# KiCad board 2000ATX.kicad_pcb (continued)
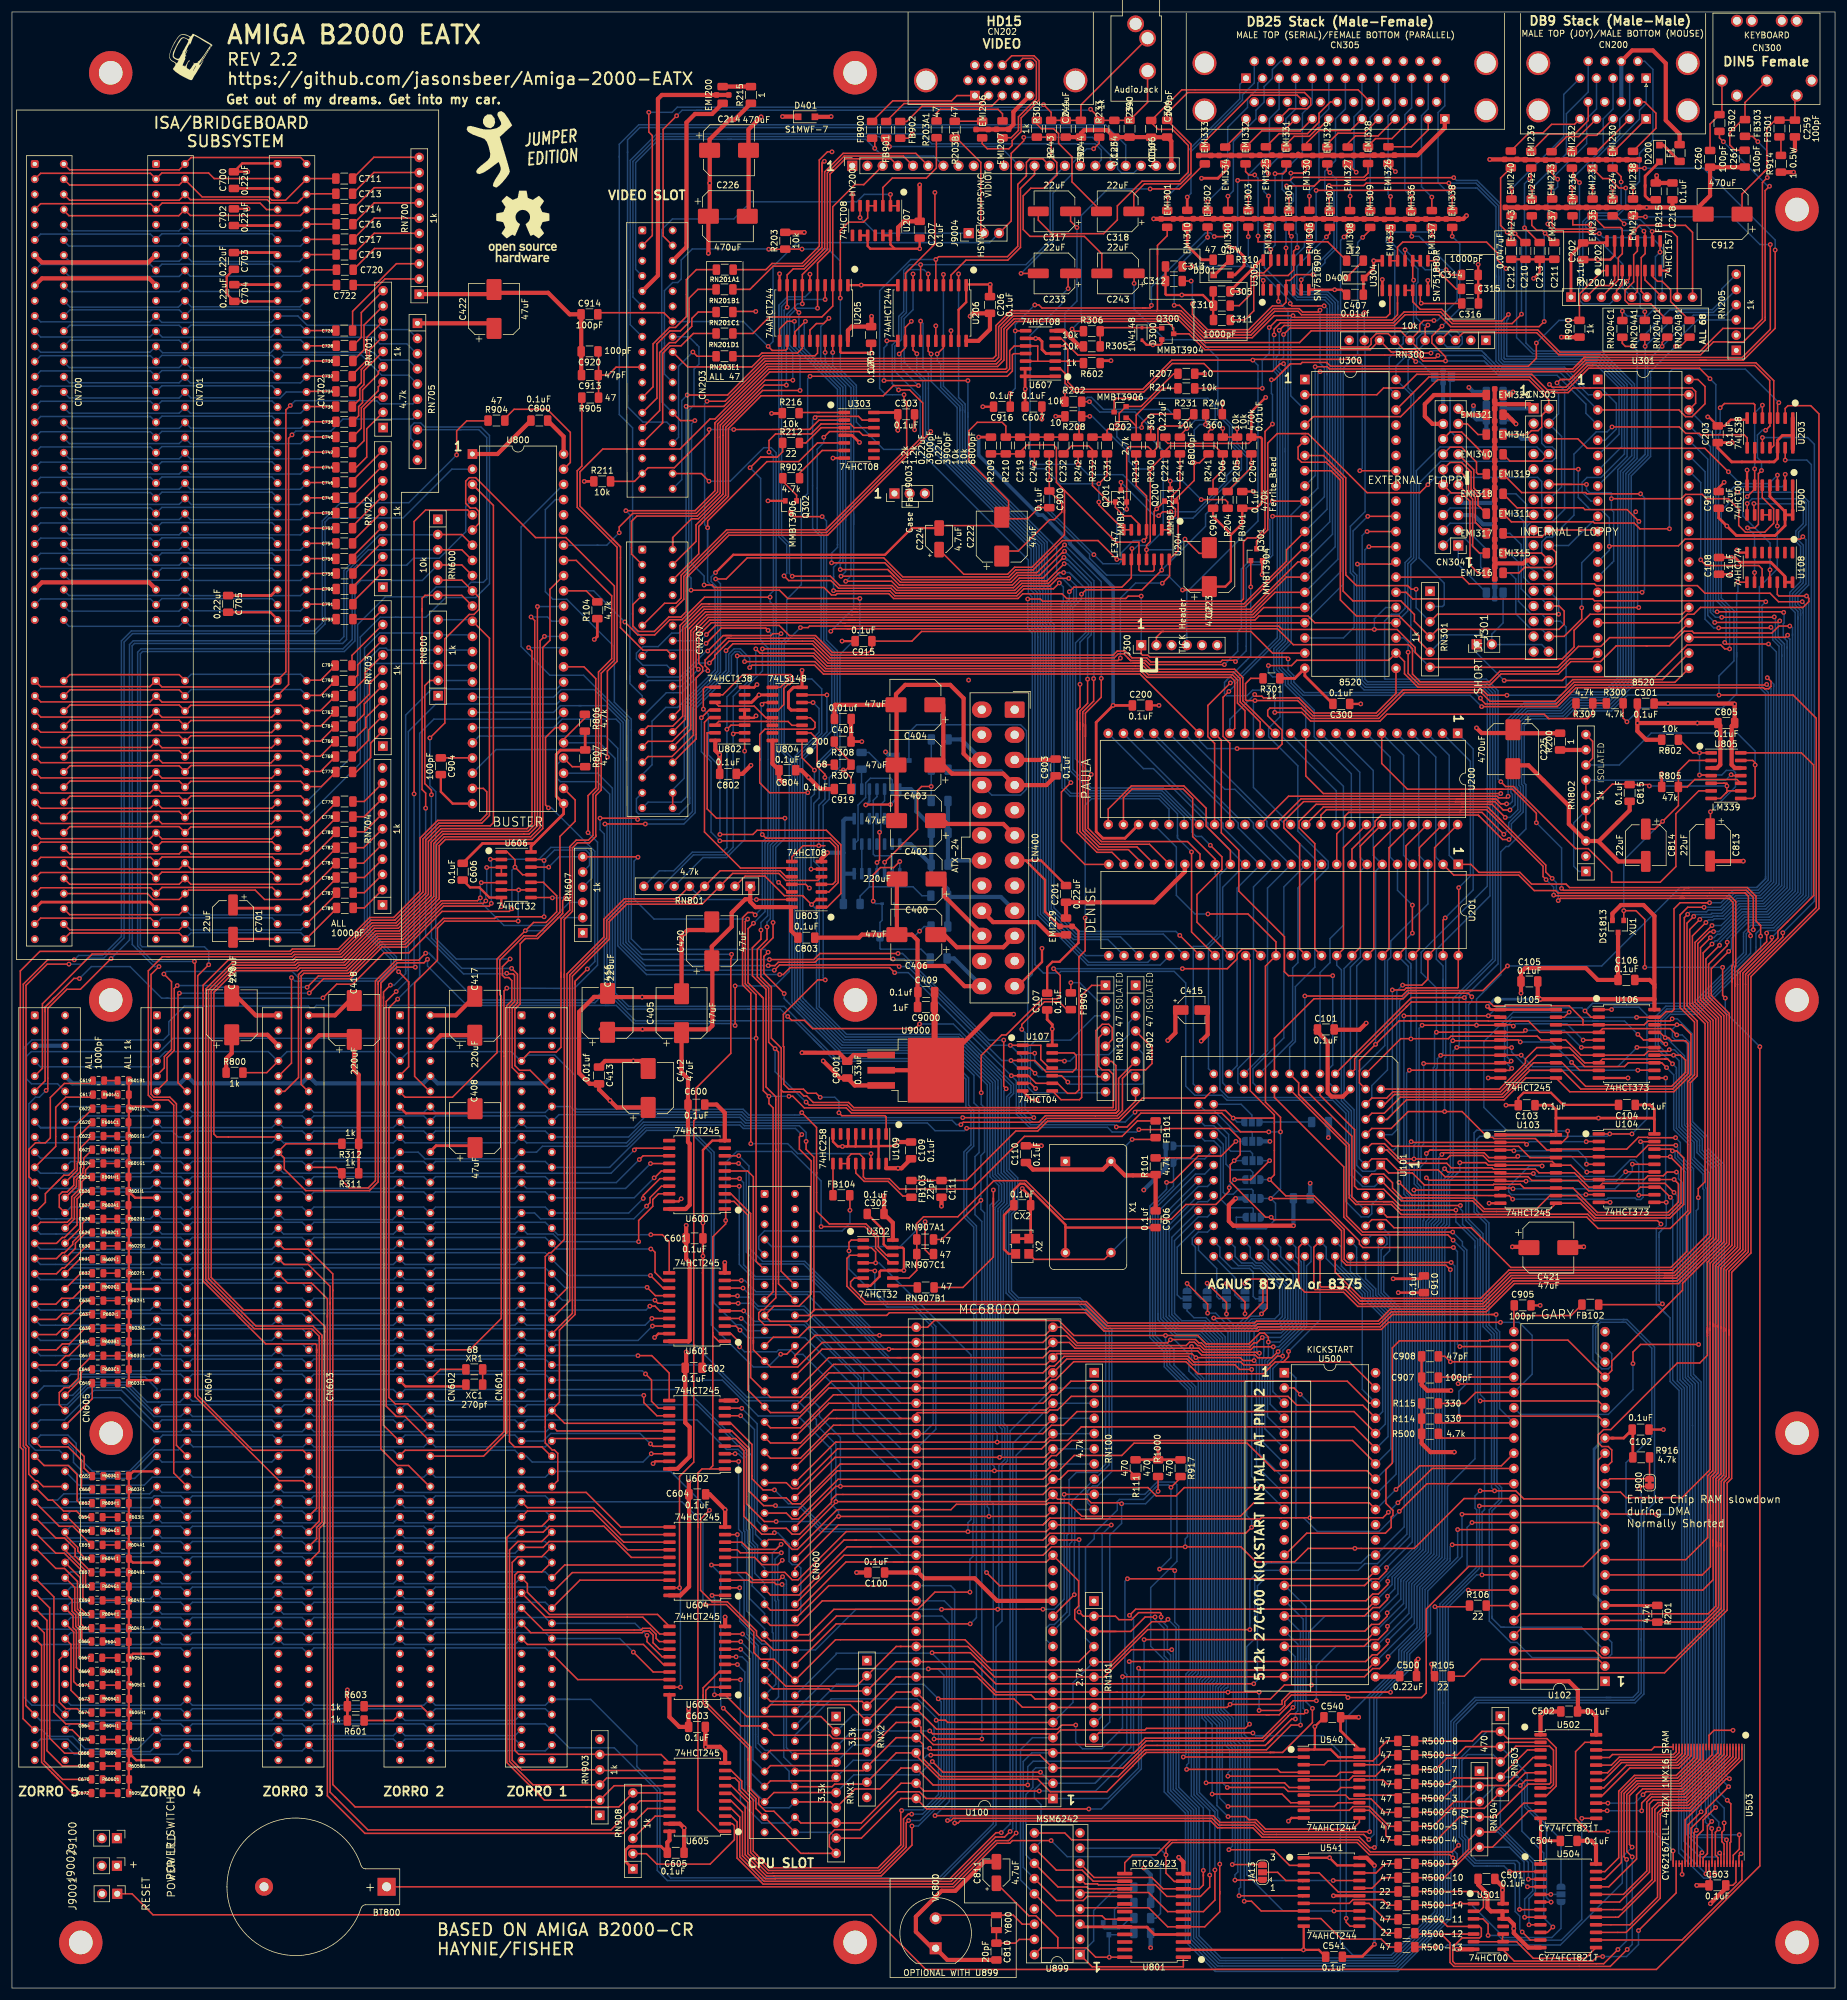
[diagram p0: board, top side]
## Routing (per net, layer and track width the routed paths; a pad name or vN(x,y) marks a point on that pad's centre or on a via; arc(x,y) is an arc through that point) (continued)
+12V: length 1410.1
  Top w0.457: U304.14 v1(227.67,288.63) 227.67,287.36 D400.2 225.94,285.62 C407.1 ; C704.1 44.34,284.64 44.4,284.58 ; R207.1 v1(199.44,269.75)
  Top w0.7: 24.08,284.53 22.92,285.69 5.02,285.69 CN700.B9 ; CN400.10 165.74,173.91 157.97,173.91 155.86,176.02
  In1.Cu w0.7: 1.14,284.4 3.81,284.4 5.02,283.2 22.82,283.2 24.08,284.45 25.28,283.25 43.14,283.25 44.4,284.51 ; CN400.11 165.43,173.82 138.77,173.82 133.72,168.77 133.72,125.35 CN600.10 ; CN400.10 165.44,178.01 165.44,209.1 162.83,211.71 161.05,211.71 159.94,212.83 v1(159.94,218.56) ; 1.07,284.4 1.19,155.83 1.19,155.75 3.36,153.58 7.68,153.58 CN605.10 ; 8.99,152.37 10.2,153.58 28.11,153.58 CN604.10 30.52,153.58 48.43,153.58 CN603.10 50.84,153.58 68.75,153.58 CN602.10 71.16,153.58 89.07,153.58 CN601.10
  In2.Cu w0.7: CN605.10 10.1,153.58 28.11,153.58 CN604.10 ; CN605.10 5.7,155.56 ; CN605.10 10.1,151.17 28.11,151.17 CN604.10 ; v1(243.59,267.46) 241.57,267.46 235.68,273.35 212.8,273.35 ; CN203.10 109.13,284.88 77.35,284.88 71.81,290.42 71.81,306.91 70.64,308.08 66.19,308.08 62.94,304.83 62.94,298.93 49.7,285.69 45.6,285.69 CN702.B9 ; CN601.10 89.07,151.17 71.16,151.17 CN602.10 ; CN601.10 136.37,152.37 143.76,159.77 161.8,159.77 164.34,162.31 164.34,172.51 CN400.10 165.29,175.81 164.54,176.56 164.54,201.6 162.83,203.31 161.05,203.31 159.94,204.43 v1(159.94,218.56) 159.94,255.19 193.84,289.09 227.21,289.09 v1(227.67,288.63) 230.06,286.24 230.06,281.26 226.62,277.83 217.27,277.83 212.8,273.35 ; CN601.10 89.07,153.58 71.16,153.58 CN602.10 ; CN601.10 91.64,151 136.53,151 144.16,158.64 155.84,158.64 ; CN604.10 30.52,151.17 48.43,151.17 CN603.10 ; CN604.10 30.52,153.58 48.43,153.58 CN603.10 ; 212.8,273.35 209.19,269.75 v1(199.44,269.75) ; CN603.10 50.84,151.17 68.75,151.17 CN602.10 ; CN603.10 50.84,153.58 68.75,153.58 CN602.10 ; CN400.11 165.44,169.41 ; 165.44,169.41 165.44,161.97 162.11,158.64 155.84,158.64 ; 165.44,169.41 165.44,167.73 ; 156.35,158.64 155.84,158.64 ; 5.7,155.48 5.7,282.54 3.76,284.48 ; 44.35,284.48 43.14,283.27 25.23,283.27 24.03,284.48 ; 159.94,246.02 151.91,246.02 150.08,247.84 J9003.2
  Bottom w0.457: 90.14,152.37 90.21,152.31
  Bottom w0.7: CN601.10 89.07,151.17 71.16,151.17 CN602.10 68.75,151.17 50.84,151.17 CN603.10 48.43,151.17 30.52,151.17 CN604.10 28.11,151.17 10.1,151.17 CN605.10 ; 246.5,264.16 246.5,266.45 ; v1(243.59,267.46) 244.35,266.7 F3.2
-5V: length 497.4
  Top w0.457: C702.1 44.17,294.51 44.4,294.74
  Top w0.7: C413.1 99.17,154.91 v1(103.89,154.91) 105.1,154.91 C412.2 ; 139.54,152.17 C9001.1 ; C9001.1 140.89,150.83 U9000.3 ; C9001.1 138.48,152.07 v1(135.64,154.91)
  In1.Cu w0.7: v1(135.64,154.91) 136.24,154.32 136.24,126.08 131.49,121.33 130.2,121.33 129.71,121.83 129.71,123.87 CN600.8
  In2.Cu w0.6: 6.6,292.46 6.6,291.34
  In2.Cu w0.7: v1(135.64,154.91) CN601.8 89.07,156.12 71.16,156.12 CN602.8 68.75,156.12 50.84,156.12 CN603.8 48.43,156.12 30.52,156.12 CN604.8 28.11,156.12 10.1,156.12 CN605.8 ; 3.76,294.64 5.09,293.31 22.69,293.31 24.03,294.64 25.23,293.43 43.14,293.43 44.35,294.64 ; CN203.31 104.08,255.61 79.53,280.16 68.38,280.16 63.57,284.97 54.06,284.97 49.7,280.61 49.39,280.61 ; 6.6,185.72 6.6,157.3 9.02,154.89 ; 6.6,184.73 6.6,293.01 ; 49.39,280.61 6.64,280.61 ; 49.39,280.61 49.78,280.61
-12V: length 723.5
  Top w0.457: 77.14,140.76 70.91,140.76 69.82,139.67 ; C703.1 44.07,289.99 44.4,289.66 ; 154.21,166.37 C409.1 ; R208.2 v1(174.5,262.64) ; 154.48,154.35 U9000.2 ; 154.48,163.66 C9000.1 ; 131.39,312.72 D401.1 ; U304.1 v1(229.11,285.5)
  Top w0.6: C9000.1 154.21,166.37
  Top w0.7: CN700.B7 5.02,288.35 22.82,288.35 24.08,289.61 ; U9000.2 U9000.2 ; U9000.2 154.26,153.59 ; U9000.2 163.84,162.73 v1(167.47,162.73) ; v1(128.83,312.72) 131.39,312.72
  Top w1: C409.1 154.26,153.59
  In2.Cu w0.6: 1.97,181.42 1.97,181.75 ; 165.35,253.49 v1(174.5,262.64)
  In2.Cu w0.7: CN702.B7 45.6,290.77 49.06,290.77 ; v1(229.11,285.5) 226.41,288.19 ; 226.41,288.19 206.9,288.19 204.85,286.14 204.8,286.19 192.21,286.19 174.5,268.48 v1(174.5,262.64) ; 226.41,288.19 226.36,288.19 ; 1.97,152.43 1.97,147.46 ; 1.97,147.46 1.97,146.67 ; 1.97,147.46 1.97,144.81 3.36,143.42 5.25,143.42 10.2,138.47 28.11,138.47 CN604.20 30.52,138.47 48.43,138.47 CN603.20 50.84,138.47 68.75,138.47 CN602.20 71.16,138.47 89.07,138.47 CN601.20 91.48,140.88 91.48,142.08 99.5,150.1 136.9,150.1 144.53,157.74 155.8,157.74 ; 50.46,291.39 49.83,290.77 49.06,290.77 ; 152.69,157.74 162.48,157.74 v1(167.47,162.73) 169.84,165.09 169.84,176.6 168.73,177.71 166.55,177.71 165.44,178.83 165.44,206.11 CN400.14 164.34,211.61 164.34,218.44 ; 3.76,289.56 1.97,287.77 1.97,150.74 ; 49.06,290.77 49.7,290.77 62.04,303.11 62.04,305.2 65.82,308.98 126.2,308.98 128.83,311.6 v1(128.83,312.72) ; 164.34,218.44 164.34,252.48 165.35,253.49 ; 164.34,218.44 164.34,223.92 ; 24.03,289.56 25.23,288.35 43.14,288.35 44.35,289.56
/Paula/+5VMOUSE: length 30.4
  Top w0.7: F1.2 278.81,309.78 276.5,312.09 276.5,321.61 274.35,323.77 270.87,323.77 CN200.7
  Bottom w0.7: CN200.16 CN200.7
/Power/+5VSB: length 56.7
  Top w0.381: v1(142.74,197.69) 142.81,197.76 v1(146.89,197.76)
  Bottom w0.381: U9102.10 143.35,198.3 v1(142.74,197.69) ; v1(146.89,197.76) 148.43,199.3 U9102.14 ; 153.69,193.02 C9102.1
  Bottom w0.7: 148.39,200.34 150.29,200.34 151.21,199.42 151.21,196.6 153.7,194.11 C9102.1 153.7,187.73 C9101.1 ; CN400.9 165.34,182.31 156.64,182.31 R9103.1 ; R9103.1 156.43,183.64 153.69,186.39 C9101.1 ; R9103.1 156.46,182.5 R9100.1 ; C9101.1 150.26,191.15 U9101.14
GND: length 1852.8
  Top w0.25: 140.82,303.93 140.82,305.06 ; U503.46 288.23,17.68 287.71,17.16 C503.2 ; U503.27 U503.28 v1(279.23,18.99)
  Top w0.381: 215.13,306.53 EMI330.3 ; 192.15,295.61 EMI301.3 ; C202.1 v1(265.15,288.82) 267.23,288.82 267.94,289.53 U202.15 ; U541.1 v1(220.29,21.77) 221.56,20.5 U541.19 ; v1(111.89,131.88) 111.46,131.45 U600.19 ; 112.37,26.84 v1(112.37,26.75) ; 119.23,37.62 U605.10 118.67,37.62 ; 115.93,40.36 v1(115.98,40.31) ; 115.52,119.5 115.52,103.78 C602.2 ; 115.52,119.5 115.53,119.51 ; 115.52,119.5 v1(115.52,122.29) C601.2 v1(115.52,127.84) 115.52,140.03 117.09,141.61 U600.10 ; 77.14,146.16 65.88,146.16 64.74,147.29 ; 64.74,101.57 65.79,100.53 75.58,100.53 XC1.2 ; 95.17,269.57 C913.2 ; C606.2 76.58,183.92 78.14,183.92 79.83,182.22 U606.7 81.81,182.21 v1(81.81,180.7) ; U800.24 73.69,197.92 71.7,199.9 C904.2 ; 80.38,283.06 80.59,283.27 ; C705.2 43.21,229.89 44.4,228.7 ; C702.2 v1(39.47,297.31) ; v1(39.42,303.51) C700.2 38.5,304.9 44.4,304.9 ; 36.96,175.3 44.34,175.3 44.4,175.36 ; C703.2 35.89,285.98 35.89,283.1 C704.2 44.2,281.84 44.4,282.04 ; 216.08,6.38 v1(215.93,6.38) 195.35,6.38 ; 216.08,6.38 215.97,6.48 U541.10 ; 216.08,6.38 218.49,6.38 219.58,5.28 ; 139.62,140.63 v1(138.85,140.63) 138.07,140.63 137.27,141.43 U109.8 ; 139.62,140.63 139.81,140.82 U109.6 ; 139.62,140.63 141.01,140.63 ; U540.10 213.94,28.42 v1(213.41,27.89) ; U103.10 v1(246.96,131.14) ; U109.3 143.62,140.67 143.66,140.63 ; U107.7 170.5,148.39 v1(171.35,148.39) ; U202.8 v1(276.82,286.98) ; U207.12 U207.13 146.88,291.34 147.57,290.64 ; 147.57,290.64 v1(151.77,290.64) C207.2 ; 147.57,290.64 143.51,290.64 143.07,291.08 U207.10 U207.9 ; v1(286.26,251.61) 285.34,250.7 C918.2 ; R602G1.1 19.89,116.81 CN604.37 ; C9000.2 151.46,163.98 C409.2 151.46,175.03 150.46,176.02 ; C915.2 v1(138.79,225.07) ; C300.1 v1(225.5,214.58) ; 209.01,238.43 v1(209.01,236.19) ; X1.7 176.12,127.15 ; 176.12,127.15 176.12,127.56 169.29,134.39 168.53,134.39 167.51,133.37 CX2.2 165.86,129.16 165.86,123.44 166.62,122.68 X2.2 ; 176.12,127.15 176.2,127.07 C906.2 ; v1(283.51,262.53) 283.7,262.53 C203.1 286.34,261.04 287.36,262.06 290.12,262.06 ; U205.19 138.49,273.37 138.62,273.24 v1(143.64,273.24) C205.1 ; C916.2 v1(162.32,264.24) ; C310.2 199.11,282.91 v1(195.58,282.91) 192.99,282.91 192.86,283.04 C312.2 C313.2 ; R605F1.1 R603G1.1 20.28,86.33 CN604.61 ; CN400.7 169.47,188.41 ; 169.47,188.41 172.72,185.17 172.72,179.88 EMI229.3 EMI229.3 177.55,177.39 178.31,176.63 178.31,174.65 ; 169.47,188.41 172.04,188.41 C201.2 ; 141.01,140.63 141.08,140.7 U109.5 ; 141.01,140.63 143.66,140.63 ; 217.79,283.78 U305.7 v1(221.14,283.78) 222.31,283.78 C407.2 ; v1(288.01,214.55) 287.93,214.63 ; v1(107.19,87.63) 107.57,88.01 U602.19 ; C910.2 v1(231.78,116.2) ; 144.89,140.63 U109.2 ; 144.89,140.63 U109.15 ; 144.89,140.63 144.95,140.7 147.51,140.7 v1(148.18,141.37) ; 144.89,140.63 143.66,140.63 ; C108.1 v1(287.35,236.24) ; 265.18,191.67 RN802.3 ; R604E1.1 20.2,71.09 CN604.73 ; 139.76,284.56 v1(142,284.56) 148.09,284.56 U206.10 ; C107.2 173.08,170.61 173.95,171.49 175.14,171.49 178.31,174.65 ; C607.1 v1(172.19,262.16) ; U104.10 v1(267.18,131.29) ; C305.2 200.83,278.79 C311.2 ; CN604.85 20.22,55.85 R605A1.1 ; 268.53,305.56 268.63,305.46 ; CN604.99 20.77,38.07 R605.1 ; C218.2 277.62,298.35 ; 273.46,297.54 273.69,297.54 ; 273.46,297.54 EMI241.3 ; 273.46,297.54 281.93,297.54 ; C907.2 C908.2 ; U601.19 108.08,109.35 v1(107.44,108.71) ; CN604.25 20.58,132.05 R601I1.1 ; C303.2 v1(150.9,260.38) ; U206.19 158.27,280.44 159.54,281.71 U206.1 159.66,284.67 v1(163.55,284.67) ; U205.10 v1(128.33,286.45) ; C104.2 259.33,147.57 257.3,149.61 252.73,149.61 251.84,148.71 C103.2 v1(249.78,147.52) ; U540.19 221.77,38.58 220.5,39.85 217.7,39.85 ; R601E1.1 19.9,147.29 CN604.13 ; 186.82,309.24 186.85,309.27 ; C316.1 245.14,281.53 C314.1 v1(245.14,288.01) ; 268.52,176.39 XU1.3 ; 217.7,39.85 217.83,39.98 v1(217.83,43.69) 219.33,45.18 219.33,45.26 ; 217.7,39.85 U540.1 ; 200.83,280.44 200.81,280.42 ; 184.26,309.24 C234.2 ; FB401.1 v1(207.55,250.07) ; U303.7 v1(137.26,255.65) ; 231.09,306.22 EMI326.3 ; U900.7 v1(290.09,253.64) ; C905.2 v1(255.5,114.07) ; U108.7 288.81,239.86 v1(288.39,240.28) ; CN604.49 20.03,101.57 R603E1.1 R601B1.1 ; C102.2 v1(276.1,93.32) ; C200.2 v1(191.77,214.33) ; 122.33,306.93 122.54,307.14 ; U302.7 143.53,117.36 145.05,118.89 145.05,119.7 145.26,119.9 U302.10 v1(149.12,119.9) 149.12,123.51 148.92,123.71 U302.13 146.3,123.71 145.74,124.28 145.74,126.61 C302.1 ; 178.31,174.65 178.28,174.62 ; U105.10 v1(246.81,152.07) ; Q300.2 192.22,274.82 191.98,274.57 v1(190.75,274.57) 189.7,274.57 D300.2 188.95,275.32 ; U106.10 v1(270.18,152.07) ; U207.7 v1(140.53,299.72) ; EMI232.3 259.69,305.51 ; U304.7 v1(236.73,285.34) ; 255.63,202.23 256.1,201.75
  Top w0.4: 122.56,212.24 124,212.24 ; 124.05,212.24 v1(124.4,212.59) ; 122.54,217.32 124.08,217.32 v1(124.56,217.81)
  Top w0.5: v1(255.56,24.62) 255.56,20.75 ; v1(132.09,220.18) U804.8 130.66,217.35 129.82,216.51 129.82,214 130.28,213.54 U804.5 ; 258.77,24.6 255.78,24.6 ; U802.5 122.49,212.34 ; U541.15 v1(220.94,15.42) ; U502.12 255.56,24.82
  Top w0.7: C603.2 115.93,40.36 ; 95.17,269.57 C920.2 95.17,279.65 C914.1 93.24,279.68 89.65,283.27 80.59,283.27 ; 67.89,283.06 80.38,283.06 ; U800.1 81.18,256.34 C800.2 ; C417.2 74.19,162.53 CN602.2 ; CN400.3 174.35,205.21 C903.2 ; 36.74,166.53 40.74,162.53 CN603.1 ; CN202.5 167.43,313.51 167.43,311.4 EMI207.3 EMI206.3 ; C811.2 162.57,21.1 157.71,16.24 155.43,16.24 151.13,11.94 151.13,9.4 153.88,6.64 VC800.1 156.38,4.7 C810.2 ; CN400.24 159.26,167.41 155.88,170.79 151.41,170.79 ; 247.9,238 EMI316.3 ; 247.9,238 247.9,264.67 ; 247.9,238 247.96,238.06 252.7,238.06 253.2,238.56 CN303.21 ; C218.2 277.62,297.64 277.72,297.54 ; CN400.15 160.16,205.21 159.11,206.27 159.11,215.52 156.87,217.75 149.35,217.75 147.8,216.2 C404.2 ; C804.2 131.98,203.5 135.13,200.36 C919.2 ; 247.9,264.67 253.69,264.67 CN303.1 ; 247.9,264.67 EMI320.3 ; 57.19,165.72 54,162.53 CN603.2 ; CN203.9 108,286.16 108,315.67 108.66,316.33 EMI200.3 EMI200.3 ; EMI326.3 235,306.27 239.55,310.83 CN305.26 ; U504.12 253.51,6.76 251.1,9.17 v1(251.1,9.94) 251.1,10.63 250.18,11.55 249.21,11.55 249.21,12.82 247.28,12.82 246.69,13.41 246.69,15.71 v1(246.62,15.78) 245.12,17.28 C501.2 ; R305.2 178.49,274.32 v1(177,275.81) 175.87,276.94 U607.7 ; v1(240.58,99.83) 236.65,99.83 235.68,100.8 C907.2 ; R900.1 262.07,275.87 v1(259.04,275.87) ; U603.10 v1(119.23,62) ; 250.95,204.31 253.54,204.31 260.3,197.55 260.3,194.51 RN802.3 265.33,191.67 270.46,196.8 C815.2 ; EMI243.3 EMI241.3 277.72,297.54 ; 199.91,163.42 199.91,159.32 v1(198.83,158.24) ; 277.72,297.54 281.93,297.54 283.91,299.51 C260.2 289.67,304.26 C261.2 ; C404.2 147.9,214.33 C402.2 ; C404.2 137.64,214.43 137.51,214.3 C401.2 ; C259.2 v1(298.09,307.07) ; U805.12 288.06,203.86 287.51,204.41 287.51,210.88 C805.2 v1(288.01,214.55) ; C406.2 147.95,185.27 C400.2 ; HY200.22 193.83,308.6 C304.2 193.1,309.27 C306.2 190.44,309.29 R234.1 C234.2 183.13,310.46 179.27,310.46 178.72,309.91 R244.1 C244.2 ; 268.52,176.39 C106.2 265.13,168.45 263.14,170.43 252.98,170.43 252.3,169.75 C105.2 v1(252.3,166.24) ; C214.2 123.14,310.55 v1(125.25,312.67) ; 255.56,42.35 255.56,45.56 v1(255.81,45.8) 256.21,46.21 259.01,46.21 ; v1(136.35,189.71) 135.34,188.71 U803.7 ; U601.10 v1(119.18,121.24) ; v1(115.98,40.31) 118.36,40.31 119.23,39.44 U605.10 ; C421.2 260.24,123.85 v1(262.79,123.85) ; v1(283.96,14.11) 286.53,16.67 C503.2 ; v1(247.07,305.56) EMI240.3 253.22,305.56 253.27,305.51 EMI238.3 ; v1(121.11,98.17) 119.18,98.17 ; v1(226.42,161.24) 225.3,160.12 220.75,160.12 ; 215.03,306.52 214.73,306.22 ; 214.73,306.22 231.09,306.22 ; 214.73,306.22 EMI333.3 ; C604.2 116.66,82.5 v1(119.23,79.93) 119.23,77.04 U604.10 ; 287.93,214.63 C301.2 ; v1(123.55,204.32) 122.11,202.89 C802.2 ; C412.1 101.14,147.15 v1(99.99,148.3) 98.15,150.14 C413.2 96.61,151.09 94.83,152.88 94.83,163.12 97.33,165.62 98.43,165.62 98.45,165.59 v1(105.37,165.59) 111.95,165.59 111.95,175.77 v1(112.4,176.22) 112.97,176.79 117.09,176.79 ; v1(195.07,21.84) 195.84,21.08 195.84,19.13 U801.12 ; 163.55,282.72 163.55,284.66 ; v1(132.09,156.29) 138.23,156.29 C9001.2 140.69,155.91 U9000.1 ; U605.19 111.66,27.46 v1(112.37,26.75) C605.1 ; v1(243.18,296.16) 242.62,295.61 EMI338.3 221.05,295.61 221.03,295.63 v1(190.88,295.63) ; C111.2 v1(155.41,130.66) ; C803.2 141.61,175.51 142.11,176.02 150.46,176.02 151.41,175.08 151.41,170.79 ; C500.2 234.82,54.7 v1(235.1,54.98) ; 255.56,20.75 U504.1 ; C9000.2 151.41,170.79 ; C814.2 268.59,188.26 265.18,191.67 ; U600.10 119.18,146.25 117.81,147.62 C600.2 ; 244.26,6.47 v1(241.6,6.47) ; 123.16,296.27 123.16,307.09 ; C110.2 v1(172.11,140.74) ; C813.2 v1(289.47,188.31) ; C109.1 v1(148.18,141.37) ; C100.2 v1(141.22,69.43)
  In1.Cu w0.25: 15.09,35.92 14.94,35.92 ; 231.19,131.17 232.21,130.15
  In1.Cu w0.381: CN604.25 27.71,132.05 28.96,130.81 30.73,130.81 ; CN604.73 27.71,71.09 28.96,69.85 31.5,69.85 ; 31.5,100.84 31.19,100.53 25.28,100.53 CN604.49 ; 227.42,131.33 U101.82 227.69,133.81 ; 31.24,87.38 25.28,87.38 CN604.61 ; H7.1 2.54,92.71
  In1.Cu w0.5: 227.42,131.06 230.41,131.06 ; 227.69,133.81 230.99,133.81 ; 204.72,123.7 204.72,126.24 ; 217.42,153.92 217.42,148.59 ; 212.34,149.35 212.34,153.92 ; 207.26,123.7 207.26,125.98
  In1.Cu w0.7: 93.43,150.56 93.56,150.43 ; CN605.13 5.02,148.5 23.03,148.5 CN604.13 25.44,148.5 43.35,148.5 CN603.13 45.76,148.5 63.67,148.5 CN602.13 66.08,148.5 83.99,148.5 CN601.13 86.4,148.5 95.09,148.5
  In2.Cu w0.7: CN303.13 CN303.5
  Bottom w0.381: 24.1,50.77 CN604.89 ; 76.68,197.61 U800.24 ; 246.89,151.99 v1(246.81,152.07)
  Bottom w0.7: CN400.24 157.5,172.05 C9104.2 ; J102.1 JA7.2 192.9,137.02 v1(189.23,133.35) ; 249.3,264.16 249.51,263.96 CN303.1 ; 139,189.69 138.97,189.71 v1(136.35,189.71) ; 139,189.69 139,186.27 ; 139,189.69 139,195.06 139.33,195.39 140.77,195.39 ; R9105.2 158.71,208.65 CN400.15 ; 139,186.27 139.07,186.2 U9101.7 ; 139,186.27 C9103.2 ; 249.3,259.59 251.71,259.59 252.43,258.88 CN303.5 ; 247.9,248.16 242.32,248.16 CN304.7 ; 247.9,248.16 EMI318.3 ; 247.9,248.16 247.9,244.6 ; 247.9,244.6 245.93,244.6 244.41,246.13 CN304.5 ; 247.9,244.6 EMI322.3 ; CN304.20 EMI312.3 ; C112.1 v1(217.05,134.49) ; C9105.2 156.49,193.05 C9102.2 156.49,193.02 C9101.2 157.18,188.41 CN400.19 ; C812.2 v1(190.38,6.73) ; JA2.3 v1(210.31,141.48) ; v1(146.05,206.55) 146.53,206.07 Q9100.2
  vias: v1(133.19,202.28) v1(273.3,297.54) v1(276.86,214.63)
V7M: length 35.5
  Top w0.25: 152.67,126.23 152.67,123.36 153.39,122.65 RN907C1.1 ; 152.67,126.23 v1(152.67,128.07) ; 152.67,126.23 152.67,126.24
  Bottom w0.25: v1(152.67,128.07) 148.51,123.91 127,123.91 CN600.7
7M: length 169.4
  Top w0.25: v1(161.99,131.63) 155.44,125.08 RN907A1.1 154.17,125.18 ; v1(174.14,170.33) 175.26,169.21 175.26,165.76 174.8,165.3 172.26,165.3 166.22,159.26 165.48,159.26 162.05,155.83 v1(162.05,149.61) ; U201.35 207.66,173.64 205.71,173.64 204.83,172.77 204.83,171.98 203.19,170.33 v1(195.68,170.33) ; v1(162.94,69.41) 165.12,67.23 U100.15
  Bottom w0.25: v1(195.68,170.33) v1(174.14,170.33) ; v1(162.94,69.41) 162.6,69.75 162.6,129.52 161.99,130.13 v1(161.99,131.63) 161.99,139.1 162.6,139.71 162.6,147.11 162.05,147.66 v1(162.05,149.61)
7MHz: length 86.3
  Top w0.25: v1(204.4,135.09) 207.1,135.09 v1(210.27,138.25) ; v1(203.52,133.73) 203.52,133.17 201.28,130.93 196.27,130.93 193.8,128.46 175.95,128.46 169.5,134.91 164.17,134.91 158.14,128.88 152.4,128.88 151.27,127.75 RN907A1.2 RN907C1.2 151.27,119.93 149.98,118.63 U302.9
  Bottom w0.25: JA3.3 v1(210.27,138.25) ; v1(203.52,133.73) 203.52,134.2 v1(204.4,135.09) JA4.1 204.87,135.09
28M: length 24.3
  Top w0.25: FB104.2 140.1,132.44 v1(140.1,129.96)
  Bottom w0.25: v1(140.1,129.96) 140.1,127.81 138.8,126.51 125.81,126.51 124.85,125.55 124.85,123.52 CN600.9
+AUD: length 220
  Top w0.457: R209.1 v1(161.62,259.16) ; 187.32,214.5 C200.1 v1(184.1,214.33) 181.27,211.5 181.27,193.23 182.37,192.13 186.08,192.13 U200.27 ; 250.98,209.68 250.95,209.71
  Top w0.7: v1(244.86,210.57) 245.71,209.71 250.95,209.71 ; R200.2 250.98,209.68
  In2.Cu w0.457: 195.85,212.33 243.09,212.33 v1(244.86,210.57)
  In2.Cu w0.6: 186.1,212.33 v1(184.1,214.33) 186.17,212.26 243.17,212.26 v1(244.86,210.57)
  Bottom w0.6: v1(184.1,214.33) 184.1,234.12 176.88,241.34 176.88,241.58 172.33,246.13 171.64,246.13 161.62,256.14 v1(161.62,259.16)
+AV: length 86.8
  Top w0.25: R213.1 v1(187.96,254.97) 187.96,251.05 189.69,249.33 U204.4 189.69,242.32 v1(189.23,241.86) ; R207.2 194.23,269.75 188.77,264.29 Q202.2 185.12,263.14 185.12,261.65 v1(184.72,261.25) ; 166.62,240.12 168.24,240.12 173.48,245.36 174.24,245.36 175.51,246.63 175.51,248.08 C900.1 173.43,256.31 C220.1
  Bottom w0.25: v1(184.72,261.25) 184.72,259.22 187.96,255.98 v1(187.96,254.97) ; v1(173.48,252.02) 173.48,246.92 v1(180.89,239.51) 182.41,238 185.07,238 185.45,238.38 185.45,239.81 187.5,241.86 v1(189.23,241.86)
+VID: length 211.1
  Top w0.7: 116.66,296.11 v1(116.66,301.6) 116.66,306.93 ; 139.76,275.26 139.76,276.99 140.4,277.62 C205.2 143.71,277.7 v1(143.71,279.35) ; v1(151.77,301.31) C207.1 149.16,295.21 148.15,294.2 U207.14 ; R215.1 120.82,312.21 119.95,312.21 116.64,308.9 C214.1 ; U206.20 161.58,275.24 163.51,277.18 C206.2 160.69,279.84 v1(160.2,279.35) ; C226.1 v1(116.43,289.88)
  In2.Cu w0.7: HY200.21 188.1,301.31 149.48,301.31 ; v1(160.2,279.35) 159.8,279.75 144.11,279.75 v1(143.71,279.35) 145.18,280.82 145.18,288.95 149.54,293.31 149.54,301.24 149.48,301.31 ; HY200.2 143.03,302.8 141.84,301.6 v1(116.66,301.6) ; HY200.2 146.22,301.31 149.48,301.31 ; HY200.2 145.18,302.34 ; 145.16,289.02 117.29,289.02 v1(116.43,289.88)
-AV: length 64.7
  Top w0.25: U204.11 v1(189.69,240.33) 189.69,241.1 190.31,241.72 v1(190.31,253.83) C221.2 192.84,256.9 193.6,257.66 201.14,257.66 R206.2 202.44,253.64 200.81,252.02 C901.2 ; 199.85,239.73 198.49,239.73 v1(196.11,242.11) ; R208.1 v1(180.19,262.64)
  Bottom w0.25: v1(189.69,240.33) 194.34,240.33 v1(196.11,242.11) ; v1(190.31,253.83) 188.02,253.83 186.74,255.11 186.74,256.49 180.59,262.64 v1(180.19,262.64)
/BUS CONTROL/CLKVCC: length 40
  Top w0.25: U801.24 v1(183.46,5.15) 181.18,5.15 179.62,6.71 174.86,6.71 ; 174.86,6.71 174.86,8.41 171.19,12.08 170.01,12.08 C811.1 ; 174.86,6.71 172.07,6.71 U899.18
  Bottom w0.25: v1(183.46,5.15) 183.46,8.83 D800.3 187.24,8.91 187.53,9.19
/BUS CONTROL/STDP: length 36.3
  Top w0.25: U899.1 180.59,3.56 195.83,3.56 195.85,3.57 U801.1
  Bottom w0.25: R804.2 184.66,16.76 180.85,12.95 180.85,7.87 U899.1
/Floppy and Parallel/_CHNG: length 117.2
  Top w0.25: 235.24,265.65 232.17,262.58 217.57,262.58 U300.4 ; 235.24,265.65 235.49,265.89 ; 235.24,265.65 238.35,268.75 253.6,268.75 256.94,265.41 CN303.2 255.76,262.78 255.76,260.85 255.15,260.24 254.03,260.24 253.37,259.59 EMI341.1
  Bottom w0.25: CN303.2 255.76,262.78 255.76,258.12 256.38,257.51 257.5,257.51 258.12,256.9 258.12,255.73 257.5,255.11 238.89,255.11 235.25,251.46 235.25,238.97 239.46,234.76 239.46,231.14 239.17,230.86 RN301.2
/Floppy and Parallel/_DKRST: length 66.1
  Top w0.25: v1(234.7,271.78) 233.6,272.88 178.19,272.88 175.4,275.67 U607.6
  Bottom w0.25: v1(234.7,271.78) 235.33,271.78 EMI312.1
/Floppy and Parallel/_DKWDB: length 62.7
  Top w0.25: v1(267.51,260.86) 278.77,260.86 279.83,259.79 282.09,259.79 282.35,259.54 289.61,259.54 290.12,259.03 290.12,257.11 ; EMI315.1 255.72,239.78 CN303.22
  Bottom w0.25: v1(267.51,260.86) 266.69,260.04 264.88,260.04 261.15,256.31 261.15,246.11 257.5,242.46 256.57,242.46 255.76,241.66 255.76,239.73 CN303.22
/Floppy and Parallel/_DKWEB: length 100.4
  Top w0.25: 259.54,268.78 259.13,268.78 ; 259.54,268.78 258.88,268.78 v1(258.32,268.22) ; 259.54,268.78 260.45,268.78 261.09,269.42 ; 293.93,257.11 294.55,257.74 294.55,268.59 291.58,271.57 263.24,271.57 261.09,269.42 ; 261.09,269.42 260.6,268.94
  Bottom w0.25: 253.22,243.83 253.22,247.92 251.46,249.68 EMI314.1 ; 253.22,243.83 253.22,237.99 254.03,237.19 255.76,237.19 CN303.24 ; 253.22,243.83 253.22,244.2 254.03,245 257.5,245 259.59,247.09 259.59,266.95 v1(258.32,268.22)
/Floppy and Parallel/_INUSE0: length 43.8
  Top w0.25: U900.3 v1(295.17,252.81) ; CN303.6 261.8,258.88 263.38,257.29 283.02,257.29 v1(286.97,253.37) ; 285.27,255.04 285.14,255.17
  Bottom w0.25: v1(295.17,252.81) 293.75,251.38 288.95,251.38 v1(286.97,253.37)
/Floppy and Parallel/_INUSE1: length 100.9
  Top w0.25: 293.93,262.06 293.88,262.11 293.88,266.29 ; 264.31,271.12 263.42,271.12 259.8,267.5 257.52,267.5 v1(257.05,267.97) ; 264.31,271.12 291.39,271.12 293.88,268.63 293.88,266.29 ; 264.31,271.12 263.8,271.12 ; 293.88,266.29 293.88,267.16 ; v1(292.5,253.57) 291.99,253.05 291.99,244.58 291.4,243.99 v1(290.17,243.99) ; U108.9 v1(291.34,236.52) ; v1(293.19,260.3) 293.92,261.03 U203.4
  Bottom w0.25: CN303.14 259.08,250.86 259.08,259.28 CN303.4 258.57,263.05 258.57,266.45 v1(257.05,267.97) ; v1(293.19,260.3) 292.63,260.3 291.82,259.49 291.82,255.72 292.5,255.04 v1(292.5,253.57) ; v1(291.34,236.52) 291.34,242.82 v1(290.17,243.99)
/Floppy and Parallel/_IORST: length 63.1
  Top w0.25: 189.04,280.74 172.21,280.74 171.7,281.24 v1(171.01,281.24) ; 189.04,280.74 190.31,280.74 190.5,280.92 v1(190.5,281.18) ; 189.04,280.74 189.55,280.74 ; v1(201.02,292.66) 202.84,292.66 203.3,293.12 EMI300.2 ; 169.38,276.91 v1(167.74,276.91) ; C916.1 v1(166.91,266.48)
  Bottom w0.25: v1(190.5,281.18) 190.5,284.23 199.55,293.28 ; v1(171.01,281.24) 167.74,277.98 v1(167.74,276.91) 167.74,267.32 v1(166.91,266.48) ; v1(201.02,292.66) 200.39,293.28 199.55,293.28 ; 200.06,293.28 199.55,293.28 ; 199.55,293.28 199.17,292.91
/Floppy and Parallel/_KBDATA: length 16.5
  Top w0.25: CN300.2 289.75,315.08 FB303.1 289.35,312.21 287.2,310.06 287.2,307.99 288.1,307.08 C261.1 289.75,307.13
/Floppy and Parallel/_MTROD: length 77.1
  Top w0.25: 208.08,240.47 208.08,241.78 209.95,243.65 209.95,258.16 211.54,259.75 216.31,259.75 ; 216.31,259.75 215.61,259.75 ; 216.31,259.75 216.69,259.75 226.56,249.88 235.4,249.88 v1(236.73,251.21)
  Bottom w0.25: v1(236.73,251.21) 237.95,252.43 255.06,252.43 255.76,251.73 255.76,247.35 CN303.16
/Floppy and Parallel/_MTRX: length 78.5
  Top w0.25: EMI311.1 250.68,245 264.38,245 264.59,244.8 271.22,244.8 272.17,243.84 v1(277.11,243.84) ; U203.3 295.19,264.71 v1(295.4,264.92)
  Bottom w0.25: v1(277.11,243.84) 277.11,270 277.62,270.51 289.81,270.51 v1(295.4,264.92)
/Floppy and Parallel/_RDY: length 77.3
  Top w0.25: RN301.5 235.27,225.05 235.27,225.93 231.93,229.27 224.78,229.27 222.1,231.95 222.1,251.97 220.52,253.54 U300.7
  Bottom w0.25: J301.2 247.47,224.49 255.76,224.49 CN303.34 ; J301.2 245.85,226.11 239.96,226.11 RN301.5 ; J301.2 247.42,226.24 249.3,228.12 EMI322.1
/Floppy and Parallel/_TRK0: length 88.8
  Top w0.25: U300.6 219.26,256.08 223,252.34 223,236.13 224.78,234.35 233.33,234.35 233.94,233.74 v1(234.76,233.74) ; RN301.3 238.34,229.57 v1(258.59,229.57)
  Bottom w0.25: v1(234.76,233.74) 234.76,230.64 RN301.3 ; v1(258.59,229.57) 258.59,231.83 CN303.26 255.76,234.65 253.84,234.65 252.77,235.71 252.77,245.07 251.46,246.38 EMI339.1
/Floppy and Parallel/_WPROT: length 95
  Top w0.25: CN303.28 258.67,230.94 259.51,230.1 259.51,227.89 258.65,227.03 238.34,227.03 RN301.4 234.47,228.38 234.47,229.52 232.19,231.81 224.17,231.81 222.55,233.43 222.55,252.15 219.74,254.96 215.61,254.96 215.03,255.54 215.03,257.5 U300.5
  Bottom w0.25: CN303.28 255.76,232.11 254.03,232.11 252.32,233.81 252.32,241.2 250.44,243.08 EMI324.1
/Memory and Kickstart/_MCASL: length 93.7
  Top w0.25: v1(268.5,6.44) 266.13,4.06 241.28,4.06 240.88,4.46 240.88,6.81 242.44,8.38 245.37,8.38 245.67,8.68 245.67,9.97 245.34,10.29 U501.4 239.99,10.29 238.8,11.49 R500-11.1 ; U503.15 282.23,38.22 278.64,34.62 271.63,34.62 269.53,32.52 269.53,21.93 v1(269.96,21.49)
  Bottom w0.25: v1(268.5,6.44) 269.96,7.89 v1(269.96,21.49)
/Memory and Kickstart/_MCASU: length 90.2
  Top w0.25: U501.5 238.95,9.02 ; 238.95,9.02 234.69,9.02 R500-12.1 ; 238.95,9.02 240.43,7.54 240.43,4.28 241.09,3.61 267.21,3.61 v1(270.05,6.45) ; v1(270.89,21.91) 269.98,22.82 269.98,32.33 271.82,34.17 278.82,34.17 282.73,38.09 U503.14